# Altium PCB 0020-03_FFT2G.PcbDoc (part 15 of 16) (continued)
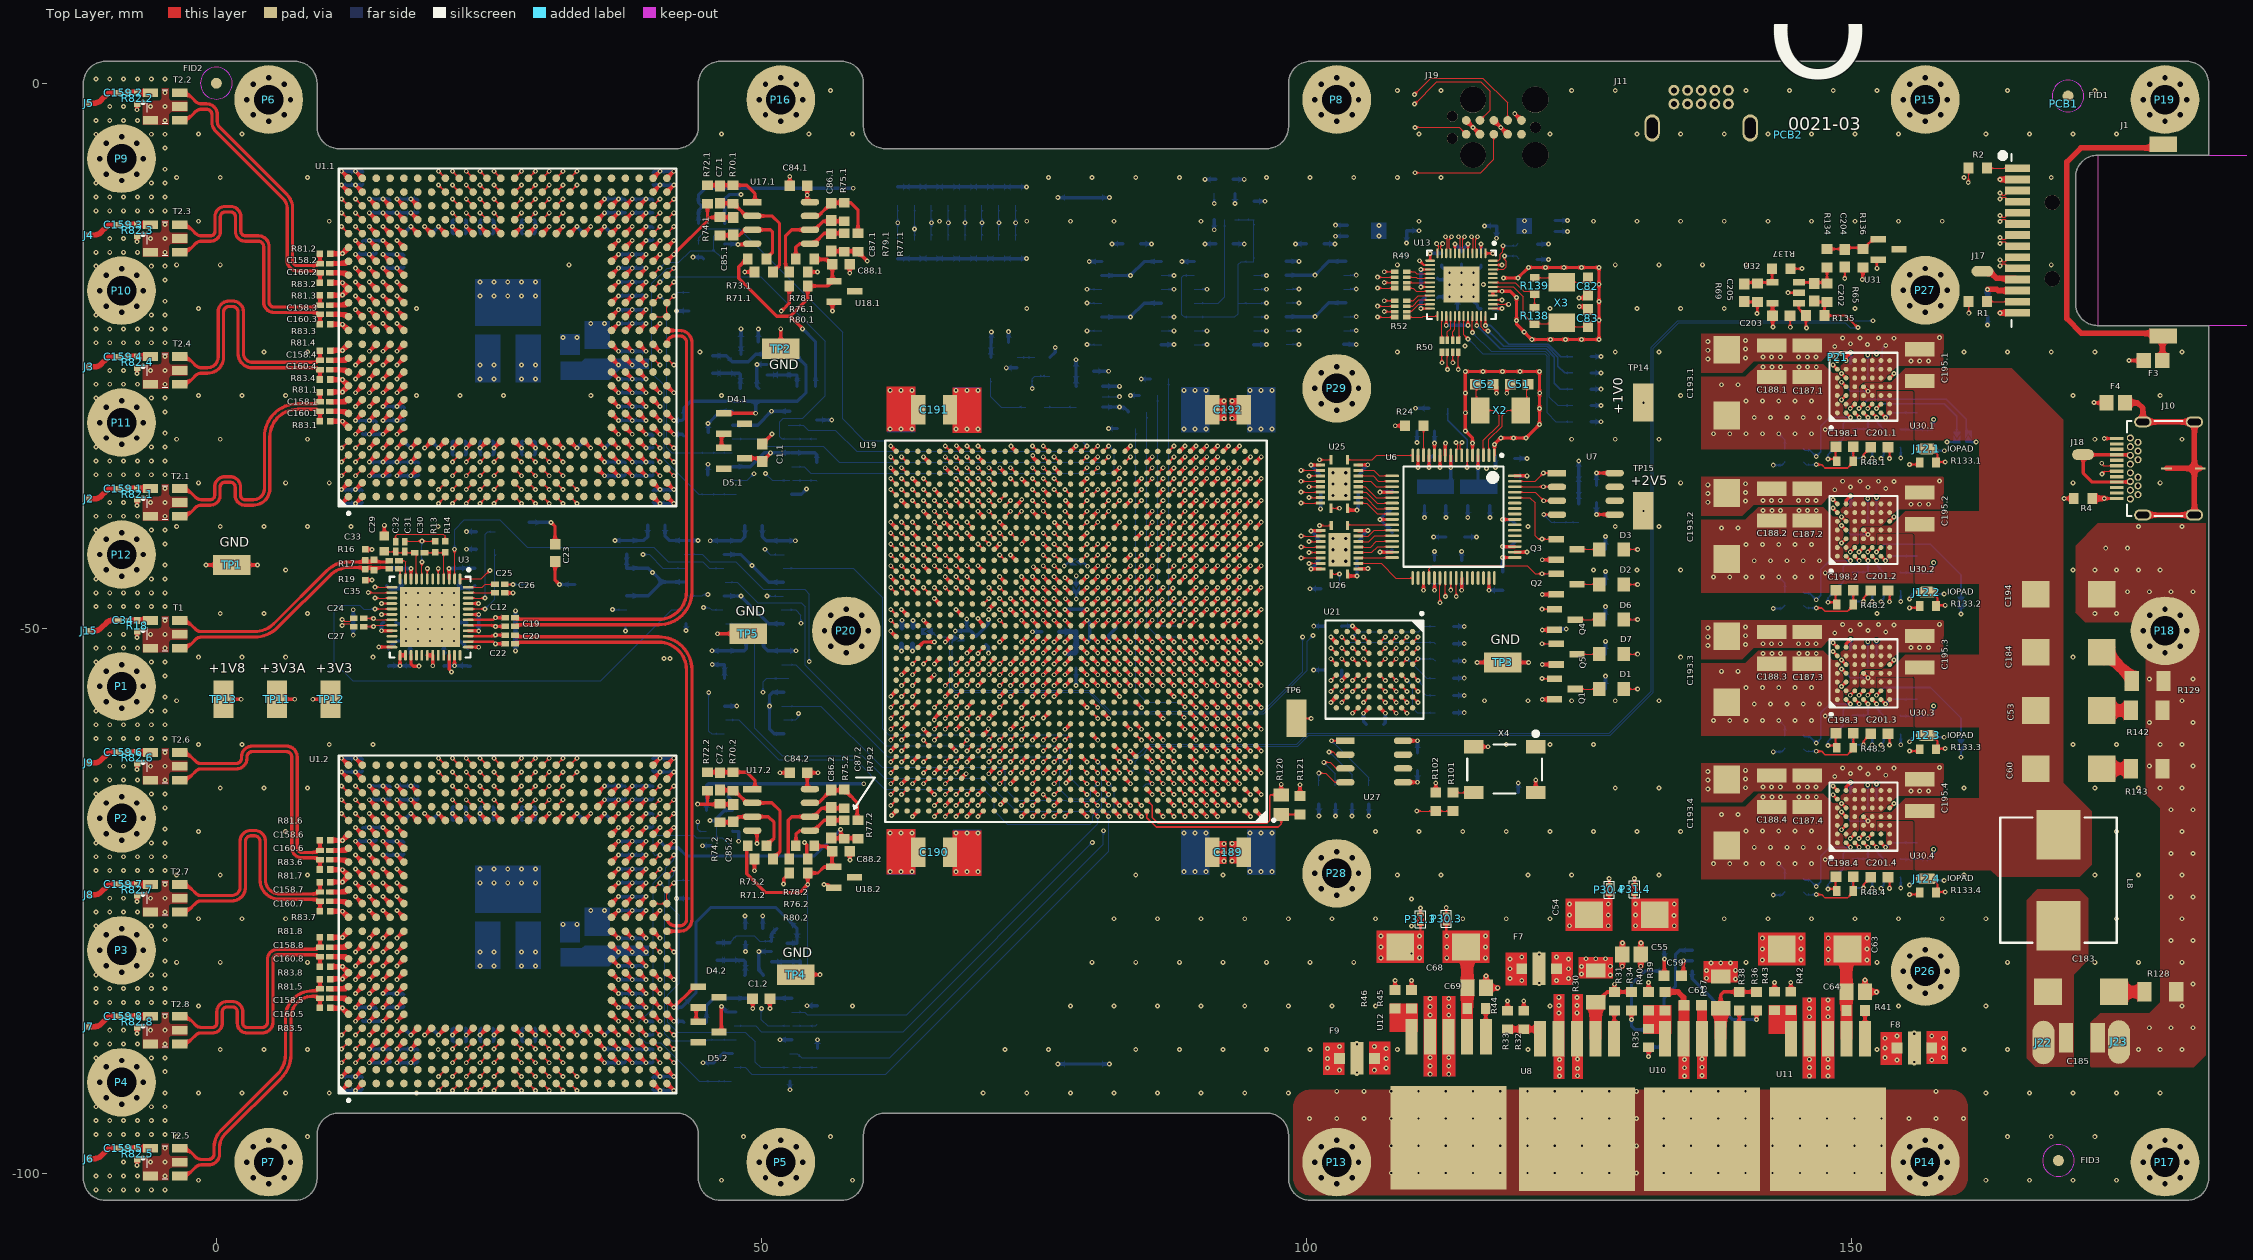
[diagram p0: Top Layer view]
## Nets (pads, with @x,y where several pads share a name; then routed paths per layer and width w, separated by ;. In a path a pad name is that pad's centre, name@x,y a point inside that pad or via, vN(x,y) a via of type N, cw(c..) or ccw(c..) an arc to the next point about the centre after c; other vN are vias at no path point) (continued)
SD.5_N: U1.2.J23 U19.J34 | length 75
  Top Layer w0.1: v1(21.653,-63.208) U1.2.J23@22.288,-63.843 ; v1(61.875,-59.28) U19.J34@62.375,-58.78
  LVDS3 w0.1: v1(21.653,-63.208) 21.653,-62.779 21.76,-62.673 22.096,-62.673 22.391,-62.378 22.391,-59.496 23.033,-58.855 24.856,-58.855 ccw(c24.856,-58.405) 25.306,-58.405 cw(c25.556,-58.405) 25.556,-58.155 25.856,-58.155 cw(c25.856,-58.405) 26.106,-58.405 26.106,-59.105 ccw(c26.556,-59.105) 26.556,-59.555 26.856,-59.555 ccw(c26.856,-59.105) 27.306,-59.105 27.306,-58.405 cw(c27.556,-58.405) 27.556,-58.155 27.856,-58.155 cw(c27.856,-58.405) 28.106,-58.405 28.106,-59.105 ccw(c28.556,-59.105) 28.556,-59.555 28.856,-59.555 ccw(c28.856,-59.105) 29.306,-59.105 29.306,-58.405 cw(c29.556,-58.405) 29.556,-58.155 29.856,-58.155 cw(c29.856,-58.405) 30.106,-58.405 30.106,-59.105 ccw(c30.556,-59.105) 30.556,-59.555 30.856,-59.555 ccw(c30.856,-59.105) 31.306,-59.105 31.306,-58.405 cw(c31.556,-58.405) 31.556,-58.155 31.856,-58.155 cw(c31.856,-58.405) 32.106,-58.405 32.106,-59.105 ccw(c32.556,-59.105) 32.556,-59.555 32.856,-59.555 ccw(c32.856,-59.105) 33.306,-59.105 33.306,-58.405 cw(c33.556,-58.405) 33.556,-58.155 33.856,-58.155 cw(c33.856,-58.405) 34.106,-58.405 34.106,-59.105 ccw(c34.556,-59.105) 34.556,-59.555 34.856,-59.555 ccw(c34.856,-59.105) 35.306,-59.105 35.306,-58.405 cw(c35.556,-58.405) 35.556,-58.155 35.856,-58.155 cw(c35.856,-58.405) 36.106,-58.405 36.106,-59.105 ccw(c36.556,-59.105) 36.556,-59.555 36.856,-59.555 ccw(c36.856,-59.105) 37.306,-59.105 37.306,-58.405 cw(c37.556,-58.405) 37.556,-58.155 37.856,-58.155 cw(c37.856,-58.405) 38.106,-58.405 38.106,-59.105 ccw(c38.556,-59.105) 38.556,-59.555 38.856,-59.555 ccw(c38.856,-59.105) 39.306,-59.105 39.306,-58.405 cw(c39.556,-58.405) 39.556,-58.155 39.856,-58.155 cw(c39.856,-58.405) 40.106,-58.405 40.106,-59.105 ccw(c40.556,-59.105) 40.556,-59.555 40.856,-59.555 ccw(c40.856,-59.105) 41.306,-59.105 41.306,-58.405 cw(c41.556,-58.405) 41.556,-58.155 41.856,-58.155 cw(c41.856,-58.405) 42.106,-58.405 42.106,-59.105 ccw(c42.556,-59.105) 42.556,-59.555 42.856,-59.555 ccw(c42.856,-59.105) 43.306,-59.105 43.306,-58.405 cw(c43.556,-58.405) 43.556,-58.155 43.856,-58.155 cw(c43.856,-58.405) 44.106,-58.405 44.106,-59.105 ccw(c44.556,-59.105) 44.556,-59.555 44.856,-59.555 ccw(c44.856,-59.105) 45.306,-59.105 45.306,-58.405 cw(c45.556,-58.405) 45.556,-58.155 45.856,-58.155 cw(c45.856,-58.405) 46.106,-58.405 46.106,-59.105 ccw(c46.556,-59.105) 46.556,-59.555 46.856,-59.555 ccw(c46.856,-59.105) 47.306,-59.105 47.306,-58.405 cw(c47.556,-58.405) 47.556,-58.155 47.856,-58.155 cw(c47.856,-58.405) 48.106,-58.405 48.106,-59.105 ccw(c48.556,-59.105) 48.556,-59.555 48.856,-59.555 ccw(c48.856,-59.105) 49.306,-59.105 49.306,-58.473 cw(c49.556,-58.473) 49.556,-58.223 49.856,-58.223 cw(c49.856,-58.473) 50.106,-58.473 50.106,-59.105 ccw(c50.556,-59.105) 50.556,-59.555 50.856,-59.555 ccw(c50.856,-59.105) 51.306,-59.105 cw(c51.556,-59.105) 51.556,-58.855 62.239,-58.855 62.374,-58.99 62.374,-59.17 62.265,-59.28 v1(61.875,-59.28)
SD.5_P: U1.2.J24 U19.K33 | length 74.9
  Top Layer w0.1: v1(21.653,-61.938) U1.2.J24@22.288,-62.573 ; v1(62.875,-58.28) U19.K33@63.375,-57.78
  LVDS3 w0.1: v1(21.653,-61.938) 21.653,-62.366 21.76,-62.473 22.014,-62.473 22.191,-62.295 22.191,-59.413 22.95,-58.655 24.856,-58.655 ccw(c24.856,-58.405) 25.106,-58.405 cw(c25.556,-58.405) 25.556,-57.955 25.856,-57.955 cw(c25.856,-58.405) 26.306,-58.405 26.306,-59.105 ccw(c26.556,-59.105) 26.556,-59.355 26.856,-59.355 ccw(c26.856,-59.105) 27.106,-59.105 27.106,-58.405 cw(c27.556,-58.405) 27.556,-57.955 27.856,-57.955 cw(c27.856,-58.405) 28.306,-58.405 28.306,-59.105 ccw(c28.556,-59.105) 28.556,-59.355 28.856,-59.355 ccw(c28.856,-59.105) 29.106,-59.105 29.106,-58.405 cw(c29.556,-58.405) 29.556,-57.955 29.856,-57.955 cw(c29.856,-58.405) 30.306,-58.405 30.306,-59.105 ccw(c30.556,-59.105) 30.556,-59.355 30.856,-59.355 ccw(c30.856,-59.105) 31.106,-59.105 31.106,-58.405 cw(c31.556,-58.405) 31.556,-57.955 31.856,-57.955 cw(c31.856,-58.405) 32.306,-58.405 32.306,-59.105 ccw(c32.556,-59.105) 32.556,-59.355 32.856,-59.355 ccw(c32.856,-59.105) 33.106,-59.105 33.106,-58.405 cw(c33.556,-58.405) 33.556,-57.955 33.856,-57.955 cw(c33.856,-58.405) 34.306,-58.405 34.306,-59.105 ccw(c34.556,-59.105) 34.556,-59.355 34.856,-59.355 ccw(c34.856,-59.105) 35.106,-59.105 35.106,-58.405 cw(c35.556,-58.405) 35.556,-57.955 35.856,-57.955 cw(c35.856,-58.405) 36.306,-58.405 36.306,-59.105 ccw(c36.556,-59.105) 36.556,-59.355 36.856,-59.355 ccw(c36.856,-59.105) 37.106,-59.105 37.106,-58.405 cw(c37.556,-58.405) 37.556,-57.955 37.856,-57.955 cw(c37.856,-58.405) 38.306,-58.405 38.306,-59.105 ccw(c38.556,-59.105) 38.556,-59.355 38.856,-59.355 ccw(c38.856,-59.105) 39.106,-59.105 39.106,-58.405 cw(c39.556,-58.405) 39.556,-57.955 39.856,-57.955 cw(c39.856,-58.405) 40.306,-58.405 40.306,-59.105 ccw(c40.556,-59.105) 40.556,-59.355 40.856,-59.355 ccw(c40.856,-59.105) 41.106,-59.105 41.106,-58.405 cw(c41.556,-58.405) 41.556,-57.955 41.856,-57.955 cw(c41.856,-58.405) 42.306,-58.405 42.306,-59.105 ccw(c42.556,-59.105) 42.556,-59.355 42.856,-59.355 ccw(c42.856,-59.105) 43.106,-59.105 43.106,-58.405 cw(c43.556,-58.405) 43.556,-57.955 43.856,-57.955 cw(c43.856,-58.405) 44.306,-58.405 44.306,-59.105 ccw(c44.556,-59.105) 44.556,-59.355 44.856,-59.355 ccw(c44.856,-59.105) 45.106,-59.105 45.106,-58.405 cw(c45.556,-58.405) 45.556,-57.955 45.856,-57.955 cw(c45.856,-58.405) 46.306,-58.405 46.306,-59.105 ccw(c46.556,-59.105) 46.556,-59.355 46.856,-59.355 ccw(c46.856,-59.105) 47.106,-59.105 47.106,-58.405 cw(c47.556,-58.405) 47.556,-57.955 47.856,-57.955 cw(c47.856,-58.405) 48.306,-58.405 48.306,-59.105 ccw(c48.556,-59.105) 48.556,-59.355 48.856,-59.355 ccw(c48.856,-59.105) 49.106,-59.105 49.106,-58.473 cw(c49.556,-58.473) 49.556,-58.023 49.856,-58.023 cw(c49.856,-58.473) 50.306,-58.473 50.306,-59.105 ccw(c50.556,-59.105) 50.556,-59.355 50.856,-59.355 ccw(c50.856,-59.105) 51.106,-59.105 cw(c51.556,-59.105) 51.556,-58.655 62.1,-58.655 62.5,-58.655 v1(62.875,-58.28)
SD.6_N: U1.2.J21 U19.E31 | length 75.8
  Top Layer w0.1: v1(21.653,-65.748) U1.2.J21@22.288,-66.383 ; v1(64.875,-63.28) U19.E31@65.375,-62.78
  LVDS1 w0.1: v1(21.653,-65.748) 21.653,-65.294 21.734,-65.213 22.014,-65.213 22.191,-65.39 22.191,-67.27 21.891,-67.571 18.546,-67.571 17.265,-68.852 17.265,-75.589 18.265,-76.589 46.113,-76.589 46.566,-77.042 50.864,-77.042 ccw(c50.864,-76.692) 51.214,-76.692 cw(c51.464,-76.692) 51.464,-76.442 51.764,-76.442 cw(c51.764,-76.692) 52.014,-76.692 ccw(c52.364,-76.692) 52.364,-77.042 56.465,-77.042 62.437,-71.069 62.437,-67.917 62.848,-67.506 62.848,-66.655 63.498,-66.005 63.498,-63.501 64.12,-62.88 64.817,-62.88 64.875,-62.938 v1(64.875,-63.28)
SD.6_P: U1.2.J22 U19.F31 | length 75.8
  Top Layer w0.1: v1(21.653,-64.478) U1.2.J22@22.288,-65.113 ; v1(64.875,-62.28) U19.F31@65.375,-61.78
  LVDS1 w0.1: v1(21.653,-64.478) 21.653,-64.932 21.734,-65.013 22.096,-65.013 22.391,-65.308 22.391,-67.353 21.974,-67.771 21.274,-67.771 18.629,-67.771 17.465,-68.934 17.465,-75.506 18.348,-76.389 46.195,-76.389 46.607,-76.8 46.648,-76.842 50.864,-76.842 ccw(c50.864,-76.692) 51.014,-76.692 cw(c51.464,-76.692) 51.464,-76.242 51.764,-76.242 cw(c51.764,-76.692) 52.214,-76.692 ccw(c52.364,-76.692) 52.364,-76.842 56.382,-76.842 62.237,-70.986 62.237,-67.834 62.648,-67.423 62.648,-66.572 63.298,-65.922 63.298,-63.419 64.037,-62.68 64.817,-62.68 64.875,-62.621 v1(64.875,-62.28)
SD.7_N: U1.2.H23 U19.K29 | length 75.3
  Top Layer w0.1: v1(20.383,-63.208) U1.2.H23@21.018,-63.843 ; v1(66.875,-58.28) U19.K29@67.375,-57.78
  LVDS1 w0.1: v1(20.383,-63.208) 20.383,-62.779 20.49,-62.673 20.744,-62.673 20.921,-62.85 20.921,-66.138 20.759,-66.301 17.762,-66.301 17.34,-65.879 17.34,-60.466 17.772,-60.035 18.153,-60.035 18.684,-60.035 ccw(c18.684,-59.585) 19.134,-59.585 cw(c19.384,-59.585) 19.384,-59.335 19.684,-59.335 cw(c19.684,-59.585) 19.934,-59.585 19.934,-60.285 ccw(c20.384,-60.285) 20.384,-60.735 20.684,-60.735 ccw(c20.684,-60.285) 21.134,-60.285 21.134,-59.585 cw(c21.384,-59.585) 21.384,-59.335 21.684,-59.335 cw(c21.684,-59.585) 21.934,-59.585 21.934,-60.285 ccw(c22.384,-60.285) 22.384,-60.735 22.684,-60.735 ccw(c22.684,-60.285) 23.134,-60.285 23.134,-59.585 cw(c23.384,-59.585) 23.384,-59.335 23.684,-59.335 cw(c23.684,-59.585) 23.934,-59.585 23.934,-60.285 ccw(c24.384,-60.285) 24.384,-60.735 24.684,-60.735 ccw(c24.684,-60.285) 25.134,-60.285 cw(c25.384,-60.285) 25.384,-60.035 59.004,-60.035 59.062,-59.976 61.15,-57.889 64.541,-57.889 65.25,-58.598 65.25,-59.598 65.54,-59.889 66.281,-59.889 66.498,-59.671 66.498,-59.085 66.381,-58.967 66.377,-58.967 66.25,-58.84 66.25,-58.467 66.437,-58.28 v1(66.875,-58.28)
SD.7_P: U1.2.H24 U19.J30 | length 75.3
  Top Layer w0.1: v1(20.383,-61.938) U1.2.H24@21.018,-62.573 ; v1(65.875,-59.28) U19.J30@66.375,-58.78
  LVDS1 w0.1: v1(20.383,-61.938) 20.383,-62.366 20.49,-62.473 20.826,-62.473 21.121,-62.768 21.121,-66.221 20.842,-66.501 17.679,-66.501 17.283,-66.104 17.14,-65.961 17.14,-60.765 17.14,-60.383 17.689,-59.835 18.07,-59.835 18.684,-59.835 ccw(c18.684,-59.585) 18.934,-59.585 cw(c19.384,-59.585) 19.384,-59.135 19.684,-59.135 cw(c19.684,-59.585) 20.134,-59.585 20.134,-60.285 ccw(c20.384,-60.285) 20.384,-60.535 20.684,-60.535 ccw(c20.684,-60.285) 20.934,-60.285 20.934,-59.585 cw(c21.384,-59.585) 21.384,-59.135 21.684,-59.135 cw(c21.684,-59.585) 22.134,-59.585 22.134,-60.285 ccw(c22.384,-60.285) 22.384,-60.535 22.684,-60.535 ccw(c22.684,-60.285) 22.934,-60.285 22.934,-59.585 cw(c23.384,-59.585) 23.384,-59.135 23.684,-59.135 cw(c23.684,-59.585) 24.134,-59.585 24.134,-60.285 ccw(c24.384,-60.285) 24.384,-60.535 24.684,-60.535 ccw(c24.684,-60.285) 24.934,-60.285 cw(c25.384,-60.285) 25.384,-59.835 58.921,-59.835 61.067,-57.689 64.624,-57.689 65.45,-58.515 65.45,-59.516 65.623,-59.689 66.198,-59.689 66.298,-59.589 66.298,-59.167 ; v1(65.875,-59.28) 65.92,-59.28 66.109,-59.091 66.218,-59.091 66.294,-59.167
SD.8_N: U1.2.B22 U19.K27 | length 75.8
  Top Layer w0.1: v1(12.763,-64.478) U1.2.B22@13.398,-65.113 ; v1(68.875,-58.28) U19.K27@69.375,-57.78
  LVDS1 w0.1: v1(12.763,-64.478) 12.33,-64.478 12.228,-64.376 12.228,-57.459 13.064,-56.623 36.769,-56.623 ccw(c36.769,-56.173) 37.219,-56.173 37.219,-56.073 cw(c37.469,-56.073) 37.469,-55.823 37.769,-55.823 cw(c37.769,-56.073) 38.019,-56.073 38.019,-56.973 ccw(c38.469,-56.973) 38.469,-57.423 38.769,-57.423 ccw(c38.769,-56.973) 39.219,-56.973 39.219,-56.073 cw(c39.469,-56.073) 39.469,-55.823 39.769,-55.823 cw(c39.769,-56.073) 40.019,-56.073 40.019,-56.973 ccw(c40.469,-56.973) 40.469,-57.423 40.769,-57.423 ccw(c40.769,-56.973) 41.219,-56.973 41.219,-56.073 cw(c41.469,-56.073) 41.469,-55.823 41.769,-55.823 cw(c41.769,-56.073) 42.019,-56.073 42.019,-56.173 ccw(c42.469,-56.173) 42.469,-56.623 59.868,-56.623 60.586,-55.905 69.016,-55.905 69.275,-56.164 69.275,-57.963 69.426,-58.113 69.426,-58.198 69.344,-58.28 v1(68.875,-58.28)
SD.8_P: U1.2.A22 U19.K26 | length 76
  Top Layer w0.1: v1(11.493,-64.478) U1.2.A22@12.128,-65.113 ; v1(69.875,-58.28) U19.K26@70.375,-57.78
  LVDS1 w0.1: v1(11.493,-64.478) 11.783,-64.478 12.028,-64.232 12.028,-57.376 12.981,-56.423 36.769,-56.423 ccw(c36.769,-56.173) 37.019,-56.173 37.019,-56.073 cw(c37.469,-56.073) 37.469,-55.623 37.769,-55.623 cw(c37.769,-56.073) 38.219,-56.073 38.219,-56.973 ccw(c38.469,-56.973) 38.469,-57.223 38.769,-57.223 ccw(c38.769,-56.973) 39.019,-56.973 39.019,-56.073 cw(c39.469,-56.073) 39.469,-55.623 39.769,-55.623 cw(c39.769,-56.073) 40.219,-56.073 40.219,-56.973 ccw(c40.469,-56.973) 40.469,-57.223 40.769,-57.223 ccw(c40.769,-56.973) 41.019,-56.973 41.019,-56.073 cw(c41.469,-56.073) 41.469,-55.623 41.769,-55.623 cw(c41.769,-56.073) 42.219,-56.073 42.219,-56.173 ccw(c42.469,-56.173) 42.469,-56.423 59.785,-56.423 60.504,-55.705 69.099,-55.705 69.475,-56.081 69.475,-57.88 v1(69.875,-58.28)
SD.9_N: U1.2.B21 U19.J29 | length 76.1
  Top Layer w0.1: v1(12.763,-65.748) U1.2.B21@13.398,-66.383 ; v1(66.875,-59.28) U19.J29@67.375,-58.78
  LVDS1 w0.1: v1(12.763,-65.748) 12.306,-65.748 12.228,-65.67 12.228,-65.371 12.412,-65.187 13.152,-65.187 13.476,-64.864 13.476,-59.221 14.14,-58.558 24.932,-58.558 ccw(c24.932,-58.108) 25.382,-58.108 cw(c25.632,-58.108) 25.632,-57.858 25.932,-57.858 cw(c25.932,-58.108) 26.182,-58.108 26.182,-58.808 ccw(c26.632,-58.808) 26.632,-59.258 26.932,-59.258 ccw(c26.932,-58.808) 27.382,-58.808 27.382,-58.108 cw(c27.632,-58.108) 27.632,-57.858 27.932,-57.858 cw(c27.932,-58.108) 28.182,-58.108 28.182,-58.808 ccw(c28.632,-58.808) 28.632,-59.258 28.932,-59.258 ccw(c28.932,-58.808) 29.382,-58.808 29.382,-58.108 cw(c29.632,-58.108) 29.632,-57.858 29.932,-57.858 cw(c29.932,-58.108) 30.182,-58.108 30.182,-58.808 ccw(c30.632,-58.808) 30.632,-59.258 30.932,-59.258 ccw(c30.932,-58.808) 31.382,-58.808 31.382,-58.108 cw(c31.632,-58.108) 31.632,-57.858 31.932,-57.858 cw(c31.932,-58.108) 32.182,-58.108 32.182,-58.808 ccw(c32.632,-58.808) 32.632,-59.258 32.932,-59.258 ccw(c32.932,-58.808) 33.382,-58.808 33.382,-58.108 cw(c33.632,-58.108) 33.632,-57.858 33.932,-57.858 cw(c33.932,-58.108) 34.182,-58.108 ccw(c34.632,-58.108) 34.632,-58.558 59.033,-58.558 60.736,-56.855 64.637,-56.855 65.637,-57.855 66.981,-57.855 67.25,-58.124 67.25,-58.56 67.403,-58.713 67.403,-59.167 67.291,-59.28 v1(66.875,-59.28)
SD.9_P: U1.2.A21 U19.K28 | length 76
  Top Layer w0.1: v1(11.493,-65.748) U1.2.A21@12.128,-66.383 ; v1(67.875,-58.28) U19.K28@68.375,-57.78
  LVDS1 w0.1: v1(11.493,-65.748) 11.95,-65.748 12.028,-65.67 12.028,-65.289 12.33,-64.987 13.07,-64.987 13.276,-64.781 13.276,-59.139 14.057,-58.358 24.932,-58.358 ccw(c24.932,-58.108) 25.182,-58.108 cw(c25.632,-58.108) 25.632,-57.658 25.932,-57.658 cw(c25.932,-58.108) 26.382,-58.108 26.382,-58.808 ccw(c26.632,-58.808) 26.632,-59.058 26.932,-59.058 ccw(c26.932,-58.808) 27.182,-58.808 27.182,-58.108 cw(c27.632,-58.108) 27.632,-57.658 27.932,-57.658 cw(c27.932,-58.108) 28.382,-58.108 28.382,-58.808 ccw(c28.632,-58.808) 28.632,-59.058 28.932,-59.058 ccw(c28.932,-58.808) 29.182,-58.808 29.182,-58.108 cw(c29.632,-58.108) 29.632,-57.658 29.932,-57.658 cw(c29.932,-58.108) 30.382,-58.108 30.382,-58.808 ccw(c30.632,-58.808) 30.632,-59.058 30.932,-59.058 ccw(c30.932,-58.808) 31.182,-58.808 31.182,-58.108 cw(c31.632,-58.108) 31.632,-57.658 31.932,-57.658 cw(c31.932,-58.108) 32.382,-58.108 32.382,-58.808 ccw(c32.632,-58.808) 32.632,-59.058 32.932,-59.058 ccw(c32.932,-58.808) 33.182,-58.808 33.182,-58.108 cw(c33.632,-58.108) 33.632,-57.658 33.932,-57.658 cw(c33.932,-58.108) 34.382,-58.108 ccw(c34.632,-58.108) 34.632,-58.358 58.95,-58.358 60.653,-56.655 64.72,-56.655 65.72,-57.655 67.063,-57.655 67.45,-58.041 67.45,-58.477 67.501,-58.528 67.627,-58.528 v1(67.875,-58.28)
SD.DR_N: U1.2.M23 U19.G33 | length 76.1
  Top Layer w0.1: v1(25.463,-63.208) U1.2.M23@26.098,-63.843 ; v1(62.875,-61.28) U19.G33@63.375,-60.78
  LVDS1 w0.1: v1(25.463,-63.208) 25.463,-62.754 25.544,-62.673 26.586,-62.673 26.83,-62.917 26.83,-65.753 27.531,-66.454 42.306,-66.454 ccw(c42.306,-66.004) 42.756,-66.004 42.756,-65.32 cw(c43.006,-65.32) 43.006,-65.07 43.306,-65.07 cw(c43.306,-65.32) 43.556,-65.32 43.556,-66.923 ccw(c44.006,-66.923) 44.006,-67.373 44.306,-67.373 ccw(c44.306,-66.923) 44.756,-66.923 44.756,-65.32 cw(c45.006,-65.32) 45.006,-65.07 45.306,-65.07 cw(c45.306,-65.32) 45.556,-65.32 45.556,-67.224 ccw(c46.006,-67.224) 46.006,-67.674 46.306,-67.674 ccw(c46.306,-67.224) 46.756,-67.224 46.756,-65.32 cw(c47.006,-65.32) 47.006,-65.07 47.306,-65.07 cw(c47.306,-65.32) 47.556,-65.32 47.556,-67.388 ccw(c48.006,-67.388) 48.006,-67.838 48.306,-67.838 ccw(c48.306,-67.388) 48.756,-67.388 48.756,-65.32 cw(c49.006,-65.32) 49.006,-65.07 49.306,-65.07 cw(c49.306,-65.32) 49.556,-65.32 49.556,-67.388 ccw(c50.006,-67.388) 50.006,-67.838 50.306,-67.838 ccw(c50.306,-67.388) 50.756,-67.388 50.756,-65.32 cw(c51.006,-65.32) 51.006,-65.07 51.306,-65.07 cw(c51.306,-65.32) 51.556,-65.32 51.556,-67.388 ccw(c52.006,-67.388) 52.006,-67.838 52.306,-67.838 ccw(c52.306,-67.388) 52.756,-67.388 52.756,-65.32 cw(c53.006,-65.32) 53.006,-65.07 53.306,-65.07 cw(c53.306,-65.32) 53.556,-65.32 53.556,-67.388 ccw(c54.006,-67.388) 54.006,-67.838 54.306,-67.838 ccw(c54.306,-67.388) 54.756,-67.388 54.756,-66.704 cw(c55.006,-66.704) 55.006,-66.454 56.09,-66.454 61.655,-60.889 63.553,-60.889 63.673,-61.009 63.673,-61.61 63.264,-62.019 63.145,-62.019 62.875,-61.749 v1(62.875,-61.28)
SD.DR_P: U1.2.M24 U19.F33 | length 76.2
  Top Layer w0.1: v1(25.463,-61.938) U1.2.M24@26.098,-62.573 ; v1(62.875,-62.28) U19.F33@63.375,-61.78
  LVDS1 w0.1: v1(25.463,-61.938) 25.463,-62.392 25.544,-62.473 26.669,-62.473 27.03,-62.834 27.03,-65.67 27.614,-66.254 42.306,-66.254 ccw(c42.306,-66.004) 42.556,-66.004 42.556,-65.32 cw(c43.006,-65.32) 43.006,-64.87 43.306,-64.87 cw(c43.306,-65.32) 43.756,-65.32 43.756,-66.923 ccw(c44.006,-66.923) 44.006,-67.173 44.306,-67.173 ccw(c44.306,-66.923) 44.556,-66.923 44.556,-65.32 cw(c45.006,-65.32) 45.006,-64.87 45.306,-64.87 cw(c45.306,-65.32) 45.756,-65.32 45.756,-67.224 ccw(c46.006,-67.224) 46.006,-67.474 46.306,-67.474 ccw(c46.306,-67.224) 46.556,-67.224 46.556,-65.32 cw(c47.006,-65.32) 47.006,-64.87 47.306,-64.87 cw(c47.306,-65.32) 47.756,-65.32 47.756,-67.388 ccw(c48.006,-67.388) 48.006,-67.638 48.306,-67.638 ccw(c48.306,-67.388) 48.556,-67.388 48.556,-65.32 cw(c49.006,-65.32) 49.006,-64.87 49.306,-64.87 cw(c49.306,-65.32) 49.756,-65.32 49.756,-67.388 ccw(c50.006,-67.388) 50.006,-67.638 50.306,-67.638 ccw(c50.306,-67.388) 50.556,-67.388 50.556,-65.32 cw(c51.006,-65.32) 51.006,-64.87 51.306,-64.87 cw(c51.306,-65.32) 51.756,-65.32 51.756,-67.388 ccw(c52.006,-67.388) 52.006,-67.638 52.306,-67.638 ccw(c52.306,-67.388) 52.556,-67.388 52.556,-65.32 cw(c53.006,-65.32) 53.006,-64.87 53.306,-64.87 cw(c53.306,-65.32) 53.756,-65.32 53.756,-67.388 ccw(c54.006,-67.388) 54.006,-67.638 54.306,-67.638 ccw(c54.306,-67.388) 54.556,-67.388 54.556,-66.704 cw(c55.006,-66.704) 55.006,-66.254 56.007,-66.254 61.572,-60.689 63.636,-60.689 63.873,-60.926 63.873,-61.693 63.287,-62.28 v1(62.875,-62.28)
SD.OR_N: U1.2.B20 U19.D32 | length 76
  Top Layer w0.1: v1(12.763,-67.018) U1.2.B20@13.398,-67.653 ; v1(63.875,-64.28) U19.D32@64.375,-63.78
  LVDS1 w0.1: v1(12.763,-67.018) 12.354,-67.018 12.228,-67.143 12.228,-67.553 12.228,-74.801 15.237,-77.81 17.084,-77.81 ccw(c17.084,-77.56) 17.334,-77.56 17.334,-77.46 cw(c17.784,-77.46) 17.784,-77.01 18.084,-77.01 cw(c18.084,-77.46) 18.534,-77.46 18.534,-78.36 ccw(c18.784,-78.36) 18.784,-78.61 19.084,-78.61 ccw(c19.084,-78.36) 19.334,-78.36 19.334,-78.26 cw(c19.784,-78.26) 19.784,-77.81 57.027,-77.81 61.675,-73.163 62.802,-73.163 63.233,-72.731 63.233,-66.876 63.965,-66.145 63.965,-64.892 64.417,-64.44 64.417,-64.338 64.358,-64.28 v1(63.875,-64.28)
SD.OR_P: U1.2.A20 U19.D31 | length 76
  Top Layer w0.1: v1(11.493,-67.018) U1.2.A20@12.128,-67.653 ; v1(64.875,-64.28) U19.D31@65.375,-63.78
  LVDS1 w0.1: v1(11.493,-67.018) 12.028,-67.553 12.028,-74.884 15.155,-78.01 17.084,-78.01 ccw(c17.084,-77.56) 17.534,-77.56 17.534,-77.46 cw(c17.784,-77.46) 17.784,-77.21 18.084,-77.21 cw(c18.084,-77.46) 18.334,-77.46 18.334,-78.36 ccw(c18.784,-78.36) 18.784,-78.81 19.084,-78.81 ccw(c19.084,-78.36) 19.534,-78.36 19.534,-78.26 cw(c19.784,-78.26) 19.784,-78.01 57.11,-78.01 61.757,-73.363 62.884,-73.363 63.433,-72.814 63.433,-66.959 64.165,-66.228 64.165,-64.99 64.566,-64.589 v1(64.875,-64.28)
SPI_ADC_N.CSN: U14.1.2 U19.AP16 | length 30.3
  Top Layer w0.1: U19.AP16@80.375,-33.78 v1(80.875,-33.28)
  Bottom Layer w0.1: U14.1.2@52.481,-31.374 53.855,-31.374 54.318,-31.837 56.807,-31.837 58.75,-33.78 80.375,-33.78 v1(80.875,-33.28)
SPI_ADC_N.MISO: U15.1.4 U19.AP17 | length 50.2
  Top Layer w0.1: U19.AP17@79.375,-33.78 v1(79.875,-33.28)
  Bottom Layer w0.1: U15.1.4@44.245,-14.764 44.245,-14.173 45.054,-13.364 47.99,-13.364 57.472,-22.845 57.472,-30.8 59.464,-32.792 79.388,-32.792 v1(79.875,-33.28)
SPI_ADC_N.MOSI: U14.1.9 U19.AN17 | length 49.5
  Top Layer w0.1: U19.AN17@79.375,-34.78 v1(79.875,-34.28)
  SIG2 w0.1: v1(49.319,-35.838) 49.319,-35.885 60.213,-46.78 64.043,-46.78 64.375,-46.448 64.375,-35.78 65.375,-34.78 79.375,-34.78 v1(79.875,-34.28)
  Bottom Layer w0.1: U14.1.9@47.356,-36.454 48.703,-36.454 v1(49.319,-35.838)
SPI_ADC_N.RSTN: U14.1.12 U19.AN15 | length 36.3
  Top Layer w0.1: U19.AN15@81.375,-34.78 v1(81.875,-34.28)
  Bottom Layer w0.1: U14.1.12@47.356,-32.644 49.688,-32.644 50.355,-33.31 55.688,-33.31 57.158,-34.78 81.375,-34.78 v1(81.875,-34.28)
SPI_ADC_N.SCK: U14.1.5 U19.AP15 | length 33
  Top Layer w0.1: U19.AP15@81.375,-33.78 v1(81.875,-33.28)
  Bottom Layer w0.1: U14.1.5@52.806,-35.184 53.961,-35.184 54.557,-35.78 82.054,-35.78 82.375,-35.458 82.375,-33.78 v1(81.875,-33.28)
SPI_ADC_S.CSN: U14.2.2 U19.A16 | length 36.8
  Top Layer w0.1: U19.A16@80.375,-66.78 v1(80.875,-67.28)
  Bottom Layer w0.1: U14.2.2@52.806,-85.23 53.982,-85.23 54.23,-85.478 63.341,-85.478 80.875,-67.943 v1(80.875,-67.28)
SPI_ADC_S.MISO: U15.2.4 U19.B15 | length 45.6
  Top Layer w0.1: U19.B15@81.375,-65.78 v1(81.875,-66.28)
  SIG2 w0.1: v1(44.173,-67.764) 47.123,-70.714 81.21,-70.714 82.375,-69.549 82.375,-66.78 v1(81.875,-66.28)
  Bottom Layer w0.1: v1(44.173,-67.764) 44.173,-68.464 44.329,-68.62 U15.2.4@44.965,-68.62
SPI_ADC_S.MOSI: U14.2.9 U19.A15 | length 47
  Top Layer w0.1: U19.A15@81.375,-66.78 v1(81.875,-67.28)
  SIG2 w0.1: v1(81.875,-67.28) v1@81.898,-67.303
  Bottom Layer w0.1: U14.2.9@47.531,-90.31 48.508,-90.31 49.118,-90.92 61.432,-90.92 81.875,-70.477 v1(81.875,-67.28)
SPI_ADC_S.RSTN: U14.2.12 U19.B17 | length 44.5
  Top Layer w0.1: U19.B17@79.375,-65.78 v1(79.875,-66.28)
  SIG2 w0.1: v1(79.875,-66.28) 80.375,-66.78 v1(80.375,-69.658)
  Bottom Layer w0.1: U14.2.12@47.531,-86.5 49.473,-86.5 49.993,-87.02 63.013,-87.02 v1(80.375,-69.658)
SPI_ADC_S.SCK: U14.2.5 U19.B16 | length 41.5
  Top Layer w0.1: U19.B16@80.375,-65.78 v1(80.875,-66.28)
  SIG2 w0.1: v1(80.875,-66.28) 81.398,-66.803 v1(81.398,-68.591)
  Bottom Layer w0.1: U14.2.5@52.631,-89.04 U14.2.5@52.806,-89.04 53.303,-89.04 53.703,-89.44 61.772,-89.44 81.398,-69.813 v1(81.398,-68.591)
SPI_FS.CSN: U4.2 U19.D16 | length 37.2
  Top Layer w0.1: U19.D16@80.375,-63.78 v1(80.875,-64.28)
  Bottom Layer w0.1: U4.2@51.898,-53.349 U4.2@52.073,-53.349 53.152,-53.349 61.583,-61.78 76.981,-61.78 77.375,-62.174 77.375,-64.78 78.259,-65.664 80.022,-65.664 80.25,-65.435 80.25,-64.905 v1(80.875,-64.28)
SPI_FS.LD: Q1.1 U5.11 U19.F18 | length 97.2
  Top Layer w0.1: v1(77.875,-62.28) U19.F18@78.375,-61.78 ; v1(121.629,-54.636) Q1.1@122.789,-54.636
  SIG1 w0.1: v1(77.875,-62.28) 79.375,-63.78 79.375,-67.431 79.824,-67.88 107.205,-67.88 120.448,-54.636 v1(121.629,-54.636)
  Bottom Layer w0.1: U5.11@46.673,-45.789 47.783,-45.789 49.682,-47.688 53.689,-47.688 54.025,-48.024 54.025,-53.383 61.421,-60.78 77.184,-60.78 77.375,-60.971 77.375,-61.78 v1(77.875,-62.28)
SPI_FS.MISO: U5.3 U19.C17 | length 46.3
  Top Layer w0.1: U19.C17@79.375,-64.78 v1(79.875,-65.28)
  Bottom Layer w0.1: U5.3@52.023,-44.519 58.444,-44.519 61.15,-47.225 61.15,-59.255 61.675,-59.78 77.971,-59.78 78.375,-60.183 78.375,-63.78 v1(79.875,-65.28)
SPI_FS.MOSI: U4.9 U19.D15 | length 44.3
  Top Layer w0.1: U19.D15@81.375,-63.78 v1(81.875,-64.28)
  Bottom Layer w0.1: U4.9@46.723,-58.429 47.919,-58.429 51.585,-62.094 58.663,-62.094 61.349,-64.78 70.375,-64.78 71.381,-65.786 71.381,-66.773 72.589,-67.981 80.166,-67.981 80.405,-67.742 80.405,-67.219 80.77,-66.855 82.082,-66.855 82.375,-66.562 82.375,-64.78 v1(81.875,-64.28)
SPI_FS.PDN: U2.9 U19.D17 | length 55.5
  Top Layer w0.1: U19.D17@79.375,-63.78 v1(79.875,-64.28)
  SIG2 w0.1: v1(36.352,-48.304) 37.354,-48.304 38.879,-49.829 38.879,-51.776 41.165,-54.062 53.306,-54.062 54,-54.755 54,-57.803 60.976,-64.78 79.375,-64.78 v1(79.875,-64.28)
  Bottom Layer w0.1: v1(36.352,-48.304) U2.9@37.648,-48.304
SPI_FS.REFMON: U5.6 U19.E16 | length 41
  Top Layer w0.1: U19.E16@80.375,-62.78 v1(80.875,-63.28)
  SIG2 w0.1: v1(53.634,-49.549) 53.634,-53.684 54.2,-54.25 54.2,-57.267 60.713,-63.78 80.375,-63.78 v1(80.875,-63.28)
  Bottom Layer w0.1: U5.6@51.848,-48.329 U5.6@52.023,-48.329 53.152,-48.329 53.634,-48.811 v1(53.634,-49.549)
SPI_FS.RSTN: U2.5 U19.E18 | length 42.8
  Top Layer w0.1: v1(77.875,-63.28) U19.E18@78.375,-62.78
  SIG1 w0.1: v1(45.095,-46.928) 45.095,-47.022 45.209,-47.136 45.209,-47.144 61.845,-63.78 77.375,-63.78 v1(77.875,-63.28)
  Bottom Layer w0.1: U2.5@43.098,-47.034 44.579,-47.034 44.685,-46.928 v1(45.095,-46.928)
SPI_FS.SCK: U4.5 U19.F16 | length 38.1
  Top Layer w0.1: U19.F16@80.375,-61.78 v1(80.875,-62.28)
  Bottom Layer w0.1: U4.5@51.898,-57.159 U4.5@52.073,-57.159 55.463,-57.159 61.084,-62.78 71.974,-62.78 72.375,-63.181 72.375,-64.78 73.375,-65.78 77.946,-65.78 78.071,-65.905 80.807,-65.905 81.25,-65.462 81.25,-62.655 v1(80.875,-62.28)
SPI_FS.STATUS: U5.8 U19.C15 | length 49.3
  Top Layer w0.1: U19.C15@81.375,-64.78 v1(81.875,-65.28)
  Bottom Layer w0.1: U5.8@46.748,-49.599 48.983,-49.599 49.39,-50.006 49.39,-59.175 51.924,-61.709 59.25,-61.709 61.321,-63.78 70.375,-63.78 73.375,-66.78 80.437,-66.78 80.562,-66.655 81.031,-66.655 81.25,-66.435 81.25,-65.905 v1(81.875,-65.28)
SPI_FS.SYNCN: U2.2 U19.E17 | length 51.7
  Top Layer w0.1: U19.E17@79.375,-62.78 v1(79.875,-63.28)
  SIG2 w0.1: v1(54.4,-53.075) 54.4,-56.629 60.551,-62.78 79.375,-62.78 v1(79.875,-63.28)
  Bottom Layer w0.1: U2.2@42.923,-43.224 U2.2@43.098,-43.224 44.579,-43.224 45.258,-43.902 47.642,-43.902 50.182,-46.442 53.969,-46.442 54.4,-46.873 v1(54.4,-53.075)
SUSPEND: Q2.1 R26.1 U6.36 | length 14
  Top Layer w0.1: U6.36@111.266,-45.4 111.266,-44.586 111.595,-44.257 120.282,-44.257 121.034,-45.009 v1(121.628,-45.009) Q2.1@122.789,-45.009
  Bottom Layer w0.1: v1(121.628,-45.009) 122.671,-45.009 R26.1@122.771,-45.109
SW.1: J16.1.1 U30.1.B7 | length 1.9
  Top Layer w0.1: U30.1.B7@149.516,-25.43 U30.1.B7@149.535,-25.449
  Top Layer w0.3: U30.1.B7@149.558,-25.426 149.558,-25.117 v1(149.95,-24.725)
  Bottom Layer w0.3: J16.1.1@149.95,-25.687 v1(149.95,-24.725)
SW.2: J16.2.1 U30.2.B7 | length 1.9
  Top Layer w0.1: U30.2.B7@149.516,-38.579 U30.2.B7@149.535,-38.598
  Top Layer w0.3: U30.2.B7@149.558,-38.575 149.558,-38.267 v1(149.95,-37.875)
  Bottom Layer w0.3: J16.2.1@149.95,-38.836 v1(149.95,-37.875)
SW.3: J16.3.1 U30.3.B7 | length 1.9
  Top Layer w0.1: U30.3.B7@149.516,-51.728 U30.3.B7@149.535,-51.748
  Top Layer w0.3: U30.3.B7@149.558,-51.724 149.558,-51.416 v1(149.95,-51.024)
  Bottom Layer w0.3: J16.3.1@149.95,-51.985 v1(149.95,-51.024)
SW.4: J16.4.1 U30.4.B7 | length 1.9
  Top Layer w0.1: U30.4.B7@149.516,-64.878 U30.4.B7@149.535,-64.897
  Top Layer w0.3: U30.4.B7@149.558,-64.874 149.558,-64.565 v1(149.95,-64.173)
  Bottom Layer w0.3: J16.4.1@149.95,-65.134 v1(149.95,-64.173)
SYSMON_GND: C175.2 F2.1 U19.T17 U19.U17 U19.U18 U19.V17 U19.V18 | length 6.6
  Top Layer w0.3: v1(77.875,-51.28) U19.U18@78.375,-50.78 ; v1(77.875,-49.28) U19.V18@78.375,-49.78 ; U19.T17@79.375,-51.78 v1(79.875,-52.28) ; U19.U17@79.375,-50.78 v1(79.875,-51.28) ; U19.V17@79.375,-49.78 v1(79.875,-49.28)
  Bottom Layer w0.3: v1(74.875,-50.328) C175.2@75.756,-50.328 ; v1(79.875,-51.28) 80.132,-51.023 80.132,-49.537 v1(79.875,-49.28)